# Altium PCB IndependentSTM32.PcbDoc (continued)
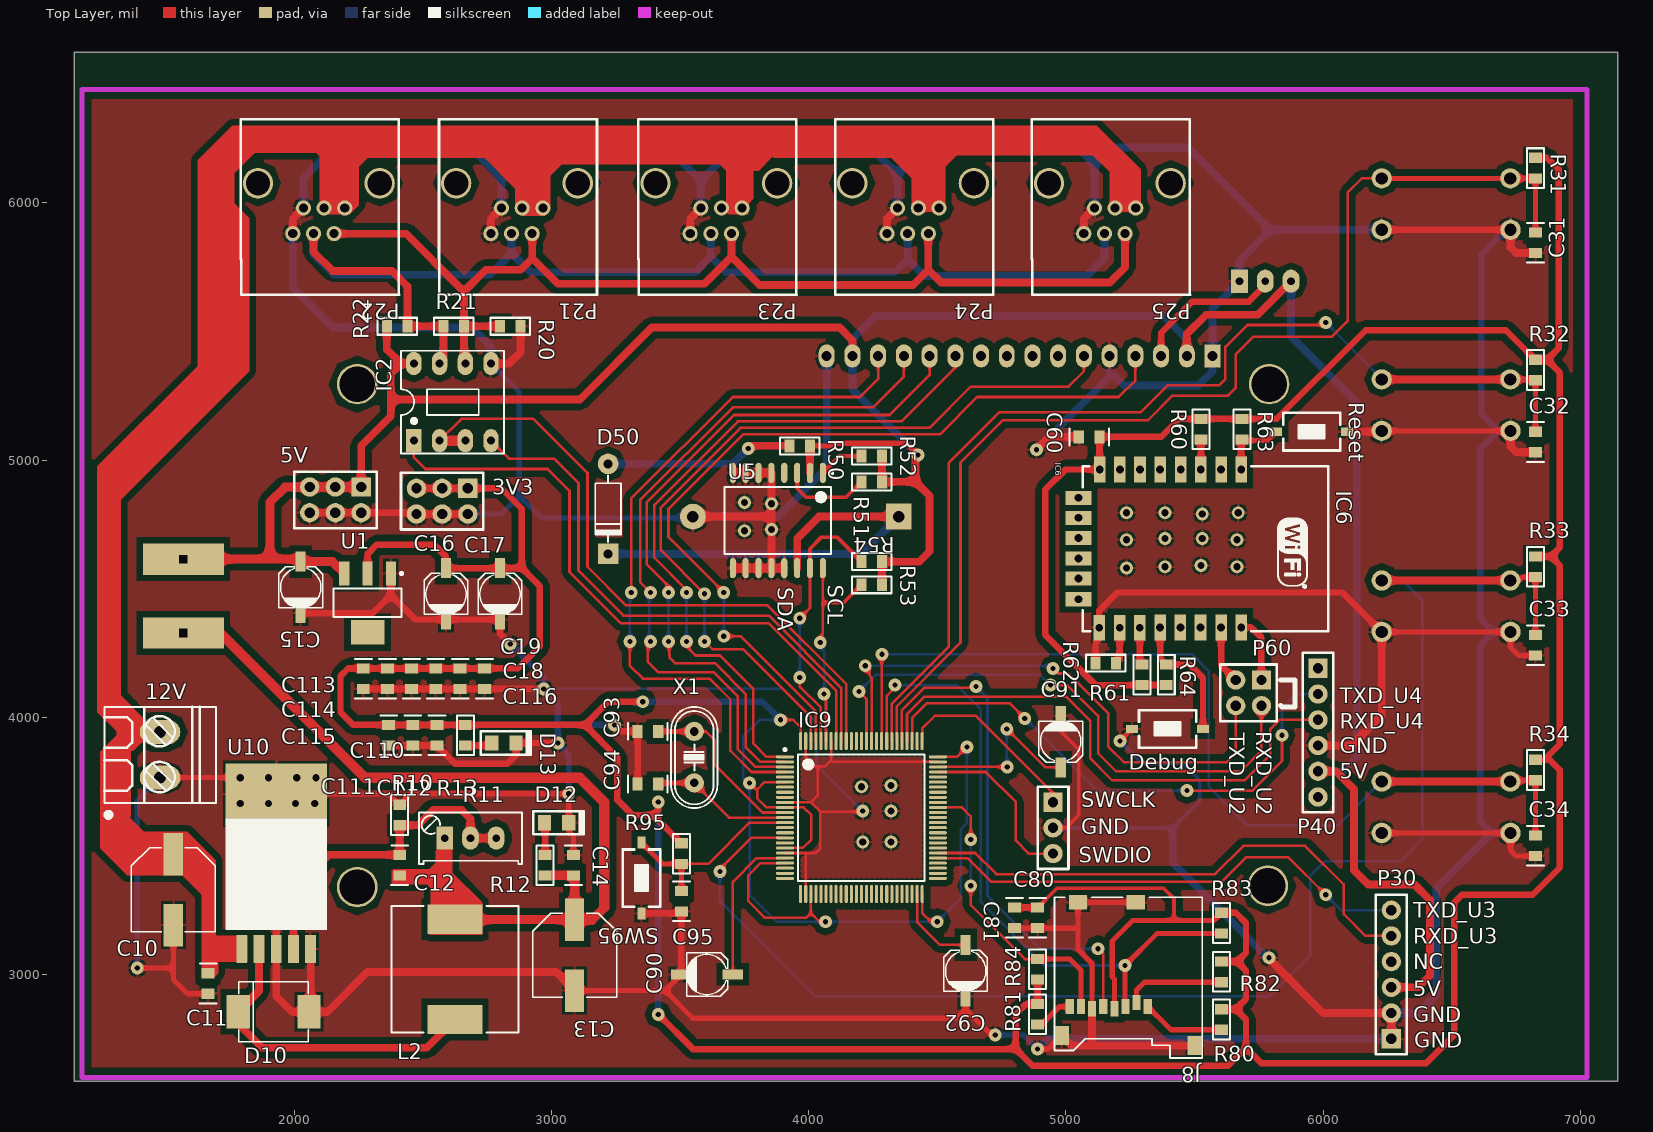
[diagram p0: Top Layer view]
## Footprints (in the part's own frame and the unit in brackets; to place one, negate y for a bottom-side part, rotate by r counter-clockwise, add the part's x,y. Pads: shape width x height; smd on the part's side, far side on the other; paste and mask are expansions set on the pad) (continued)
  silkscreen extent -7.67,-6.25 6.25,6.82, body extent -7,-7 7,7, height 1.6
SW-4P-B [mm] "Nut bam lon"
  round 2 hole 1.2: 1(-6.375,2.54) 2(-6.375,-2.54) 3(6.325,-2.54) 4(6.35,2.54)
  silkscreen extent -6.38,-5.71 6.32,5.71, body extent -6.94,-6 6.94,6, height 9.5
SW-SMD [mm] "Switch SMD type"
  rect 1.2x0.8 smd: 1(-3.5,0) 2(3.5,0)
  silkscreen extent -2.82,-1.85 2.82,1.85, body extent -3.05,-1.85 3.05,1.85, height 2.5
SW_Bapbenh [mm] "Typical LED; GREEN; RED; 2 Leads; Solder Pad 35mil"
  rect 8x3.1 hole 0.8 square: 1(-0.1,-0.7) 2(-0.1,6.6)
  silkscreen extent -7.2,-5 7.1,17.3, body extent -7.6,-4.55 7.4,16.55, height 16.72
TO263-5 [mm] "LM2576-SMD"
  rect 1.07x2.75 smd: 1(-3.4,-0.025) 2(-1.7,-0.025) 3(0,-0.025) 4(1.7,-0.025) 5(3.4,-0.025)
  rect 10x6 smd: 3(0,15.289)
  silkscreen extent -5,1.85 5,12.88, body extent -5,-0.38 5,15.29, height 4.79
VR1 [mil] "Variable Resistor"
  rect 65x90 hole 30: 1(0,0)
  oval 65x90 hole 30: 2(100,0) 3(200,0)
  silkscreen extent -100,-100 301,100, body extent -88,-130 288,110, height 455
"WCAP-PSHP 8x8.7x3.1" [mm] "Polarized capacitors, Aluminum Polymer Capacitors, 2-Leads, Body 8x8.7x3.1"
  rect 4.2x1.9 smd: 1(-3.5,0) 2(3.5,0)
  silkscreen extent -4.15,-4.15 4.15,4.15, body extent -4.5,-4.15 4.5,4.15
"WE-PD 1260" [mm] "SMD Inductor, 2-Leads, Body 12,0x12,0mm"
  rect 2.9x5.4 smd: 1(-4.95,0) 2(4.95,0)
  silkscreen extent -6.25,-6.25 6.25,6.25, body extent -6,-6 6,6, height 5.98
XT2 [mil] "Footpin for Crystal 2 pin"
  round 75 hole 34: 1(-100,0) 2(100,0)
  silkscreen extent -198,-90 195,90, body extent -233,-93 213,90, height 138

## Part data
3V3 5V: "Header, 6-Pin, 2-Row"
12V: "2 pins Domino Header"
BACK DOWN ENTER UP: library part SW-4PIN-BIG, "Switch Big 4 Pin"
BT?: "Battery 3VDC"
C10 C13 C15 C16 C17 C90 C91 C92: library part Cap_Pol, "Polarized Capacitor"
C11 C12 C14 C18 C19 C31 C32 C33 C34 C60 C80 C81 C93 C94 C95 C110 C111 C112 C113 C114 C115 C116: library part CapSMD, "Capacitor"
D10: library part SS34-DO214AB, "WE-TVSP Power TVS Diode, Unidirectional, 1500 W, 12 VDC"
D12 D13: "Typical LED"
D50: library part D1A, "Diode 1A"
Debug Reset SW95: library part SW2, "Switch button 2 pin"
IC2: "RS232 - RS485 (Same sn75176)"
IC9: library part STM32F407VGT6_IC
J8: library part MicroSD
L2: "Magnetic-Core Inductor"
LCD: library part LCD20x4A, "LCD dipslay 20 char, 4 line"
P21 P22 P23 P24 P25: "Header, 8-Pin"
P30 P40: "Header, 6-Pin"
P60: "Header, 4-Pin, 2-Row"
R10 R12 R13 R20 R21 R22 R31 R32 R33 R34 R50 R51 R52 R53 R54 R60 R61 R62 R63 R64 R80 R81 R82 R83 R84 R95: "RES_0805"
R11 R70: library part VR, "Var Resistor"
SWCLK: "Header, 3-Pin"
X1: library part XT2, "Crystal For all Crystal 2pin."

## Via types
v1: diameter 50, hole 20, Top Layer to Bottom Layer, 57 vias
v2: diameter 50, hole 28, Top Layer to Bottom Layer, 29 vias

## Nets (pads, with @x,y where several pads share a name; then routed paths per layer and width w, separated by ;. In a path a pad name is that pad's centre, name@x,y a point inside that pad or via, vN(x,y) a via of type N, cw(c..) or ccw(c..) an arc to the next point about the centre after c; other vN are vias at no path point)
3V3: 3V3.1 3V3.3 3V3.5 C16.1 C17.1 C18.2 C19.2 C60.2 C80.2 C81.2 C110.2 C111.2 C112.2 C113.2 C114.2 C115.2 C116.2 IC6.8 IC9.6 IC9.11 IC9.19 IC9.22 IC9.28 IC9.50 IC9.75 IC9.100 J8.4 R13.2 R31.2 R32.2 R33.2 R34.2 R60.1 R61.1 R63.1 R64.1 R80.2 R81.2 R82.2 R83.2 R84.2 R95.2 U1.2 | length 23349.9
  Top Layer w10: v1(3770,3745) 3795,3720 ; 3869.76,3649.37 3835.63,3649.37 3800,3685 3800,3720 3827.8,3747.8 IC9.6 ; v1(3890,3990) 3940,3990 3968.78,3961.22 IC9.100 ; IC9.22 3812.83,3432.83 3765,3385 3765,3285 3830,3220 3990,3220 4008.15,3238.15 ; IC9.11 3980.63,3649.37 4010,3620 4010,3525 3976.89,3491.89 3945.75,3491.89 ; IC9.28 4008.15,3238.15 ; v1(4065,3205) 4041.3,3205 4008.15,3238.15 ; IC9.50 4441.22,3238.78 4475,3205 v1(4500,3205) ; IC9.75 4576.22,3846.22 v1(4615,3885)
  Top Layer w15: C80.2 4965,3335 5380,3335 5420,3295 5420,3210
  Top Layer w20: J8.4 5188.23,2981.77 5180,2990 5180,3130 5260,3210 5420,3210 5575,3210 R83.2
  Top Layer w25: U1.2 2285,4635 2320,4670 2545,4670 2590,4625 C16.1 C17.1 2885,4580 ; 3V3.5 3V3.3 3V3.1 2805,4890 2885,4810 2885,4580 ; v1(3355,4060) 3220,4060 3130,3970 ; v1(3415,2845) 3550,2710 4805,2710 ; v1(3415,3670) 3415,3640 3395,3620 ; R95.2 3395,3620 ; C81.2 C80.2 ; R84.2 R81.2 4845,2885 4805,2845 4805,2710 ; R64.1 R61.1 5115,4125 4920,4320 4920,4885 4998,4963 IC6.8 5131,5089 C60.2 5370,5090 5440,5160 R60.1 R63.1 5820,5160 6165,5505 6710,5505 R32.2 6870,5390 ; R80.2 5660,2865 ; R82.2 5665,3050 ; R83.2 5660,3240 5700,3200 5700,3085 5665,3050 ; R33.2 6885,4625 ; R31.2 6870,6175 6915,6130 6915,5435 6870,5390 ; 2885,4580 2955,4510 2955,4275 2870,4190 C19.2 C18.2 C116.2 C115.2 C114.2 C113.2 2210,4190 2180,4160 2180,4020 2230,3970 C110.2 C111.2 C112.2 R13.2 3130,3970 ; 3130,3970 3255,3845 3255,3680 3315,3620 3395,3620 ; 4805,2710 4870,2645 5630,2645 5700,2715 ; 5660,2865 5700,2825 5700,2715 ; 5660,2865 5700,2905 5700,3015 5665,3050 ; 5700,2715 5760,2655 6400,2655 6510,2765 6510,3280 6540,3310 6815,3310 6920,3415 6920,3795 6880,3835 6860,3835 6920,3895 6920,4590 6885,4625 ; 6870,5390 6920,5340 6920,4660 6885,4625
  Bottom Layer w10: v1(3890,3990) 3810,3990 3745,3925 3745,3760 3760,3745 v1(3770,3745) 3770,3310 3875,3205 v1(4065,3205) v1(4500,3205) 4591,3296 4591,3564 4615,3588 v1(4615,3885)
  Bottom Layer w25: v1(3355,4060) 3820,4060 v1(3890,3990) ; v1(3415,2845) v1(3415,3670)
5V: 5V.1 5V.3 5V.5 C15.1 IC2.8 LCD.2 LCD.15 ON/OFF.2 P30.3 P40.5 R22.1 R50.2 R51.2 R52.2 R53.2 R54.2 R70.3 U1.3 U5.2 | length 11473.4
  Top Layer w20: R50.2 4085,5055 4095,5065 4380,5065 v1(4425,5020)
  Top Layer w30: 5V.1 2260,5055 2375,5170 2375,5235 ; R22.1 2360,5430 2415,5375 ; IC2.8 2415,5375 ; U5.2 R50.2 ; LCD.15 4170,5465 4120,5515 3390,5515 3110,5235 2375,5235 ; R53.2 R54.2 4430,4605 4470,4645 4470,4860 4415,4915 ; R52.2 R51.2 4415,4915 ; v1(4425,5020) 4415,5010 4415,4915 ; LCD.2 5470,5490 5545,5565 5745,5565 R70.3 R70.3@5875,5670 ; P40.5 6050,3790 6120,3720 6120,3405 6175,3350 6355,3350 6415,3290 6415,2995 6370,2950 P30.3 ; 2375,5235 2375,5335 2415,5375
  Top Layer w35: ON/OFF.2 1905,4614.84 ; C15.1@2015.16,4614.84 1905,4614.84 ; C15.1 2148.62,4605 U1.3 ; 5V.1 5V.3 5V.5 1965,4895 1905,4835 1905,4614.84
  Bottom Layer w30: v1(4425,5020) 4170,5275 LCD.15 4170,5470 4260,5560 5380,5560 5470,5470 LCD.2 ; R70.3 5875,5480 6130,5225 6130,3845 6075,3790 P40.5
12V: 12V.2 C10.1 C11.2 P21.4 P21.5 P22.4 P22.5 P23.4 P23.5 P24.4 P24.5 P25.4 P25.5 U10.1 | length 8802.5
  Top Layer w25: 12V.2 1387.56,3942.56 ; C11.2 1665,3100 ; U10.1 1666,3099 1665,3100 ; P22.5 P22.4 2196.34,6136.34 ; P21.4 P21.5 2886.02,6073.98 ; P23.5 P23.4 3741.34,6126.34 ; P24.4 P24.5 4426.02,6123.98 ; P25.4 P25.5 5191.02,6148.98 5105,6235 4537.05,6235 4426.02,6123.98 ; 1387.56,3942.56 1270,4060.12 1270,4885 1755,5370 1755,6120 1850,6215 2117.68,6215 2196.34,6136.34 ; 1387.56,3942.56 1305,3860 1305,3540 1377.2,3467.8 C10.1 1547.2,3467.8 1665,3350 1665,3100 ; 2196.34,6136.34 2270,6210 2750,6210 2886.02,6073.98 ; 2886.02,6073.98 3000,6187.95 3679.72,6187.95 3741.34,6126.34 ; 3741.34,6126.34 3825,6210 4340,6210 4426.02,6123.98
32K: R52.1 U5.1 | length 176.9
  Top Layer w15: U5.1 4120,5015 R52.1
A: IC2.6 P21.1 P22.1 P23.1 P24.1 P25.1 R20.1 R21.2 | length 4305.9
  Top Layer w30: P22.1 2435,5880 2650,5665 2660,5665 R21.2 ; 2660,5655 2745,5740 2880,5740 2925,5785 ; IC2.6 2660,5380 R21.2 ; R20.1 R21.2 ; P21.1 2925,5785 ; P23.1 3700,5790 ; P24.1 4465,5740 ; P25.1 5230,5750 5170,5690 4515,5690 4465,5740 ; 2925,5785 3025,5685 3595,5685 3700,5790 ; 3700,5790 3810,5680 4405,5680 4465,5740
B: IC2.7 P21.2 P22.2 P23.2 P24.2 P25.2 R21.1 R22.2 | length 4678.1
  Top Layer w30: P22.2 2074.68,5810.31 2150,5735 2380,5735 2440,5675 R22.2 R21.1 2580,5390 IC2.7
  Bottom Layer w30: P22.2 2074.68,5800.31 2155,5720 2760,5720 2844.68,5804.69 ; P21.2 2844.68,5804.69 ; P23.2 3619.68,5789.69 ; P24.2 4384.69,5780.31 ; P25.2 5149.69,5784.69 5080,5715 4450,5715 4384.69,5780.31 ; 2844.68,5804.69 2919.37,5730 3560,5730 3619.68,5789.69 ; 3619.68,5789.69 3679.37,5730 4334.37,5730 4384.69,5780.31
BACK: BACK.2 BACK.3 C32.2 IC9.82 R32.1 | length 4044.6
  Top Layer w10: IC9.82 4323.11,4053.11 4545,4275 4545,4990 4740,5185 5290,5185 5395,5290 5595,5290 5620,5315 5620,5440 5705,5525 6000,5525 v1(6010,5535)
  Top Layer w20: BACK.3 R32.1@6821.67,5313.33 ; C32.2 R32.1
  Top Layer w30: BACK.2 BACK.3
  Bottom Layer w10: v1(6010,5535) 6227.48,5317.52 BACK.2
BAT: BT?.1 D50.2 U5.14 | length 1735.3
  Top Layer w30: U5.14 3955,4695 4040,4780 BT?.1
  Bottom Layer w30: D50.2 4205,4635 BT?.1
D4_LCD: IC9.1 LCD.11 | length 2723.3
  Top Layer w10: v1(3525,4295) 3525,4275 3560,4240 3655,4240 3785,4110 3785,3897.44 3836.22,3846.22 IC9.1 ; v1(3525,4485) 3525,4495 3400,4620 3400,4825 3725,5150 4360,5150 4570,5360 LCD.11
  Bottom Layer w10: v1(3525,4295) v1(3525,4485)
D5_LCD: IC9.2 LCD.12 | length 2755.4
  Top Layer w10: v1(3455,4295) 3460,4230 3480,4210 3635,4210 3755,4090 3755,3885 3813.46,3826.54 IC9.2 ; v1(3455,4485) 3455,4510 3370,4595 3370,4835 3710,5175 4315,5175 4470,5330 LCD.12
  Bottom Layer w10: v1(3455,4295) v1(3455,4485)
D6_LCD: IC9.3 LCD.13 | length 2784.7
  Top Layer w10: v1(3385,4485) 3345,4525 3345,4845 3705,5205 4250,5205 4370,5325 LCD.13 ; v1@3395,4295 3375,4275 3375,4215 3415,4175 3630,4175 3725,4080 3725,3875 3793.15,3806.85 IC9.3
  Bottom Layer w10: v1(3385,4295) 3380,4300 3380,4480 v1(3385,4485)
D7_LCD: IC9.4 LCD.14 | length 2785.6
  Top Layer w10: v1(3305,4295) 3305,4200 3355,4150 3615,4150 3695,4070 3695,3870 3777.83,3787.17 IC9.4 ; v1(3310,4485) 3310,4850 3705,5245 4200,5245 4270,5315 LCD.14
  Bottom Layer w10: v1(3305,4295) 3305,4480 v1(3310,4485)
DOWN: C34.2 DOWN.2 DOWN.3 IC9.84 R34.1 | length 3697.7
  Top Layer w10: IC9.84 4283.74,4243.74 v1(4285,4245)
  Top Layer w20: DOWN.3@6732.48,3755 R34.1 C34.2
  Top Layer w30: DOWN.2 DOWN.3
  Bottom Layer w10: v1(4285,4245) 5490,4245 5555,4180 5555,3730 5705,3580 6057.48,3580 DOWN.2
EN_ESP8266: IC6.3 R60.2 | length 116
  Top Layer w25: IC6.3@5525,4964 R60.2
EN_LCD: IC9.98 LCD.6 | length 3144.1
  Top Layer w10: v1(3595,4295) 3625,4265 3745,4265 4008.15,4001.85 IC9.98 ; v1(3595,4480) 3425,4650 3425,4815 3735,5125 4470,5125 4630,5285 5010,5285 5070,5345 LCD.6
  Bottom Layer w10: v1(3595,4295) v1(3595,4480)
ENTER: C31.2 ENTER.2 ENTER.3 IC9.81 R31.1 | length 4456.9
  Top Layer w10: IC9.81 4342.8,4042.8 4590,4290 4590,4990 4755,5155 5320,5155 5415,5250 5630,5250 5660,5280 5660,5410 5730,5480 6035,5480 6095,5540 6095,6040 6150,6095 ENTER.2
  Top Layer w20: ENTER.2 ENTER.3 R31.1 C31.2
GND: 3V3.2 3V3.4 3V3.6 5V.2 5V.4 5V.6 12V.1 BACK.1 BACK.4 BT?.2 C10.2 C11.1 C13.2 C14.2 C15.2 C16.2 C17.2 C18.1 C19.1 C31.1 C32.1 C33.1 C34.1 C60.1 C80.1 C81.1 C90.2 C91.2 C92.2 C93.2 C94.2 C95.1 C110.1 C111.1 C112.1 C113.1 C114.1 C115.1 C116.1 D10.2 D12.2 D13.2 Debug.2 DOWN.1 DOWN.4 ENTER.1 ENTER.4 IC2.5 IC6.15 IC9.10 IC9.20 IC9.27 IC9.74 IC9.94 IC9.99 J8.6 J8.9 J8.10 LCD.1 LCD.5 LCD.16 P21.3 P21.6 P22.3 P22.6 P23.3 P23.6 P24.3 P24.6 P25.3 P25.6 P30.1 P30.2 P40.4 R10.1 R20.2 R62.1 R70.1 Reset.2 SW95.2 SWCLK.2 U1.1 U5.5 U5.6 U5.7 U5.8 U5.9 U5.10 U5.11 U5.12 U5.13 U10.3 U10.5 UP.1 UP.4 | length 42455.6
  Top Layer w10: IC9.20 4027.2,3472.2 4045,3490 4045,3633.11 ; IC9.10 4009.06,3669.06 ; IC9.27 3988.46,3470.67 ; IC9.99 3988.46,3841.54 4020,3810 4035,3810 ; IC9.94 4086.89,3831.89 ; v1(4210,3635) 4208.11,3633.11 4045,3633.11 ; IC9.74 4092.24,3826.54 4086.89,3831.89 ; 4009.06,3669.06 4045,3633.11 ; 4009.06,3669.06 4035,3695 4035,3810 ; 4035,3810 4065,3810 4086.89,3831.89
  Top Layer w15: SWCLK.2 5000,3570 5050,3620 5050,3875 4980,3945 C91.2 ; v1(5210,3907.8) Debug.2
  Top Layer w20: v1(1390,3025) 1530,3025 ; 12V.1 1866.54,3765.39 1930,3701.93 2368.07,3701.93 R10.1 2452.4,3702.4 v1(3067.4,3702.4) D12.2 3067.4,3557.6 3085,3540 C14.2 ; C10.2 1530,3025 ; C11.1 1585,2925 1530,2980 1530,3025 ; C13.2 3442.2,2937.2 ; C90.2 3442.2,2937.2 ; C92.2 4610,2865 ; v1(4725,2765) 4710,2765 4610,2865 ; C81.1 C80.1 5041.89,3180 5046.89,3175 ; v1(4890,2710) 4931.1,2710 J8.9@4983.9,2762.8 ; J8.6 5101.61,3043.39 5046.89,3098.11 5046.89,3175 ; J8.10@5271.3,3280.51 5046.89,3280.51 5046.89,3175 ; DOWN.1 DOWN.4 6728.48,3481.52 6750,3460 C34.1 ; UP.1 UP.4 6728.48,4271.52 6760,4240 C33.1 ; BACK.1 BACK.4 ; 3442.2,2937.2 3549.41,2830 4575,2830 4610,2865
  Top Layer w25: C15.2 2305,4405 2375.55,4475.55 ; 5V.6 5V.4 5V.2 2470,4795 3V3.6 3V3.4 3V3.2 ; C113.1 C114.1 C115.1 C116.1 C18.1 C19.1 v1(2970,4110) ; C110.1 C111.1 C112.1 2624.5,3820 2830,3820 2862.4,3852.4 D13.2 v1(3025,3900) ; U1.1 2375.55,4475.55 ; v1(2840,4285) 2800,4325 C17.2 C16.2 2471.1,4380 2375.55,4475.55 ; v1(3245,3970) 3270,3945 C93.2 C94.2 ; SW95.2 3497.2,3237.2 C95.1 C90.2 ; R62.1 5115,4290 5130,4305 IC6.15 5130,4415 5200,4485 6074.15,4485 UP.1 ; ENTER.1 ENTER.4
  Top Layer w30: U10.3@1930,3701.93 1930,3099 1930,2915 1990,2855 D10.2 ; P22.3 1994.37,5938.27 P22.6 ; U10.5 2063.86,2861.06 D10.2 ; P21.3 2764.37,5938.27 P21.6 ; IC2.5 2835,5375 2880,5420 R20.2 ; C13.2 3017.2,3010 2285,3010 2130,2855 D10.2 ; P23.3 3539.37,5938.27 P23.6 ; BT?.2 3855,4780 ; U5.9 U5.10 U5.11 U5.12 ; U5.8 U5.7 U5.6 U5.5 3855,4780 ; U5.13 U5.12 ; P24.3 4304.37,5938.27 P24.6 ; v1(4885,5040) 4935,5090 C60.1 ; J8.9@4983.9,2762.8 5023.27,2723.43 5105,2723.43 ; P25.3 5069.37,5938.27 P25.6 ; J8.6 5101.61,2726.81 5105,2723.43 ; J8.9@5500.5,2723.43 5105,2723.43 ; v1(5790,3065) 5790,3060 6000,2850 P30.2 P30.1 ; P40.4 6110,3890 6227.48,4007.48 UP.1 ; Reset.2 6224.15,5110 BACK.1 ; BACK.4 6728.48,5051.52 6750,5030 C32.1 ; ENTER.4 6728.48,5826.52 6750,5805 C31.1 ; U5.12 3855,4780
  Bottom Layer w10: v1(2970,4110) 3900,4110 4030,3980 4030,3815 v1(4210,3635)
  Bottom Layer w15: SWCLK.2 5415,3570 5520,3675 5520,3755 5455,3820 5297.8,3820 v1(5210,3907.8)
  Bottom Layer w20: v1(1390,3025) 1390,3676.93 12V.1 ; 3V3.2 2805,4790 2875,4860 ; IC2.5 2875,5265 2875,4860 ; v1(3025,3900) 3067.4,3857.6 v1(3067.4,3702.4) ; BT?.2 3545,4775 2960,4775 2875,4860 ; v1(4725,2765) 4835,2765 v1(4890,2710)
  Bottom Layer w25: v1(2840,4285) 2970,4155 v1(2970,4110) 3025,4055 3025,3975 ; v1(3025,3900) 3025,3975 ; v1(3245,3970) 3030,3970 3025,3975 ; DOWN.4 6655,3550 6610,3595 6610,4278.33 6663.33,4331.67 ; UP.4 6663.33,4331.67 ; ENTER.4 6710,5895 6615,5800 6615,5180 6681.67,5113.33 6610,5041.67 6610,4385 6663.33,4331.67
  Bottom Layer w30: P22.3 1994.37,5670.63 2150,5515 2690,5515 2765,5440 IC2.5 ; P22.6 2035.71,6095.71 2135,6195 2705,6195 2805.71,6094.29 ; P21.6 2805.71,6094.29 ; BT?.2 3880,4780 4070,4970 LCD.16 ; P23.6 3580.71,6085.71 ; P24.6 4345.71,6109.29 ; v1(4885,5040) 5170,5325 5170,5345 5225,5290 5515,5290 5570,5345 LCD.1 5570,5590 R70.1 5675,5775 5795,5895 ; v1(4890,2710) 4930,2750 P30.1 ; P25.6 5110.71,6149.29 ; 5415,3570 5415,3435 5785,3065 v1(5790,3065) ; ENTER.1 5795,5895 ; P30.2 6370,2850 6440,2920 6440,3335 6655,3550 ; 2805.71,6094.29 2891.42,6180 3486.42,6180 3580.71,6085.71 ; 3580.71,6085.71 3695,6200 4255,6200 4345.71,6109.29 ; 4345.71,6109.29 4471.42,6235 5025,6235 5110.71,6149.29 ; 5110.71,6149.29 5176.42,6215 5475,6215 5795,5895
  other v2: 4210,3515 4320,3515 4320,3635 1790,3665 1900,3665 2005,3665 2080,3665 4205,3730 4320,3735 1790,3765 1900,3765 2010,3765 2085,3765 5235,4580 5385,4585 5665,4585 5525,4590 5235,4690 5665,4690 5385,4695 5530,4695 3750,4725 3855,4730 5530,4790 5235,4795 5385,4795 5670,4795 3855,4830 3750,4835
GPIO0_ESP8266: Debug.1 IC6.18 R64.2 | length 515.8
  Top Layer w25: IC6.18 5366,4229 R64.2 5480,4205 5532.8,4152.2 Debug.1
GPIO2_ESP8266: IC6.17 R61.2 | length 146.3
  Top Layer w25: IC6.17 5287,4213 R61.2
GPIO15_ESP8266: IC6.16 R62.2 | length 143.8
  Top Layer w25: R62.2 5209,4224 IC6.16
NetC12_1: C12.1 C13.1 C14.1 L2.2 ON/OFF.1 R11.1 R12.2 | length 3650.2
  Top Layer w35: ON/OFF.1 ON/OFF.1@1712.56,4327.44 ; C12.1 2585,3385 ; L2.2@2585,3254.88 2585,3385 ; R11.1 2585,3385 ; L2.2@2627.09,3212.8 C13.1 3090,3380 C14.1 R12.2 ; 3157.8,3212.8 3205,3260
  Top Layer w40: ON/OFF.1@1712.56,4327.44 2275,3765 3110,3765 3205,3670 3205,3260 ; C13.1 3157.8,3212.8
NetC12_2: C12.2 R10.2 R11.2 R11.3 U10.4 | length 1302.5
  Top Layer w30: U10.4 1996.93,3326.93 2135,3465 C12.2 R10.2 2480,3580 2540,3640 2650,3640 2685,3605 R11.2 R11.3
NetC90_1: C90.1 IC9.21 | length 601.1
  Top Layer w10: C90.1 3705,3360 3797.52,3452.52 IC9.21
NetC91_1: C91.1 IC9.73 | length 690.7
  Top Layer w10: IC9.73 v1(4771.85,3806.85) ; v1(4770,3955) 4920,3805 C91.1
  Bottom Layer w10: v1(4770,3955) 4770,3808.7 v1(4771.85,3806.85)
NetC92_1: C92.1 IC9.49 | length 334.4
  Top Layer w10: IC9.49 4421.54,3203.46 4510,3115 C92.1
NetD10_1: D10.1 L2.1 U10.2 | length 1251.5
  Top Layer w30: U10.2 1863.07,2935.87 D10.1 1782.2,2807.8 1875,2715 2514.88,2715 L2.1
NetD12_1: D12.1 R12.1 | length 122.6
  Top Layer w25: R12.1 D12.1@2975,3587.6
NetD13_1: D13.1 R13.1 | length 106.7
  Top Layer w25: R13.1 2757.6,3890 D13.1
NetD50_1: D50.1 R50.1 | length 734
  Top Layer w30: v1(3765,5045) 3775,5055 R50.1
  Bottom Layer w30: D50.1 3705,4985 v1(3765,5045)
NetIC6_21: IC6.21 P60.3 | length 227.6
  Top Layer w25: IC6.21 5603,4202 P60.3
NetIC6_22: IC6.22 P60.1 | length 260.2
  Top Layer w25: IC6.22 5721,4349 5760,4310 P60.1
NetJ8_1: J8.1 R80.1 | length 324.1
  Top Layer w20: J8.1 5408.15,2785 R80.1
NetJ8_2: J8.2 R82.1 | length 391.7
  Top Layer w20: J8.2 5274.84,2939.84 5305,2970 R82.1
NetJ8_8: J8.8 R81.1 | length 154
  Top Layer w20: R81.1 4905,2805 4975,2875 J8.8
NetLCD_3: LCD.3 R70.2 | length 586.6
  Top Layer w25: LCD.3 5370,5495 5490,5615 5710,5615 5775,5680 R70.2
NRST: C95.2 IC9.14 R95.1 SW95.1 | length 763.5
  Top Layer w10: R95.1 3610,3430 3770.32,3590.32 IC9.14
  Top Layer w20: SW95.1 3432.8,3430 R95.1 C95.2
RS_LCD: IC9.97 LCD.4 | length 3295.2
  Top Layer w10: v1(3670,4315) 3735,4315 4027.83,4022.17 IC9.97 ; v1(3670,4485) 3455,4700 3455,4810 3745,5100 4510,5100 4655,5245 5205,5245 5270,5310 LCD.4
  Bottom Layer w10: v1(3670,4315) v1(3670,4485)
RST_ESP8266: IC6.1 R63.2 Reset.1 | length 263.3
  Top Layer w20: R63.2@5681,5076 5783.2,5076 Reset.1
  Top Layer w25: IC6.1 R63.2@5681,5076
RX_UART2: IC9.87 P60.2 | length 2245.4
  Top Layer w10: v1(4195,4100) 4224.69,4070.32 IC9.87 ; v1(4940,4125) 5005,4125 5125,4005 5125,3860 5195,3790 5680,3790 5760,3870 P60.2
  Bottom Layer w10: v1(4195,4100) 4260,4165 4900,4165 v1(4940,4125)
RXD_UART1: IC2.1 IC9.93 | length 2462.8
  Top Layer w10: IC2.1 2465,5010 2510,4965 2985,4965 3070,4880 3070,4565 3270,4365 3845,4365 4106.57,4103.43 IC9.93
RXD_UART3: IC9.56 P30.5 | length 2054.7
  Top Layer w10: IC9.56 4647.2,3472.2 4729.41,3390 5580,3390 5690,3500 5930,3500 6080,3350 6080,3235 6165,3150 P30.5
RXD_UART4: IC9.79 P40.3 | length 2106.3
  Top Layer w10: IC9.79 4382.17,4012.17 4450,4080 5000,4080 5095,3985 5095,3840 5180,3755 5695,3755 5795,3855 5795,3955 5830,3990 P40.3
SCL: IC9.95 R53.1 U5.16 | length 873.3
  Top Layer w10: v1(4045,4290) 4045,4315 4055,4325 4055,4445 U5.16 ; v1(4060,4090) 4067.2,4082.8 IC9.95
  Top Layer w15: 4055,4445 4135,4445 R53.1
  Bottom Layer w10: v1(4045,4290) 4035,4280 4060,4255 v1(4060,4090)
SD_CK: IC9.80 J8.5 | length 2027.9
  Top Layer w10: IC9.80 4362.48,4027.48 4450,4115 4645,4115 v1(4650,4120) ; v1(5125,3100) 5145,3080 5145,2875.08 J8.5
  Bottom Layer w10: v1(4650,4120) 4695,4075 4695,3305 4900,3100 v1(5125,3100)
SD_CMD: IC9.83 J8.3 R83.1 | length 2604.1
  Top Layer w10: IC9.83 4303.43,4083.43 4335,4115 v1(4335,4125)
  Top Layer w20: J8.3 5230,2876.54 v1(5230,3035) 5355,3160 R83.1
  Bottom Layer w10: v1(4335,4125) 4575,4125 4669,4031 4669,3281 4915,3035 v1(5230,3035)
SD_D0: IC9.65 J8.7 R84.1 | length 1161.9
  Top Layer w10: IC9.65 4595.63,3649.37 4630,3615 v1(4630,3525) ; v1(4630,3345) 4630,3270 4840,3060 R84.1
  Top Layer w20: R84.1 5015,3060 5058.31,3016.69 J8.7
  Bottom Layer w10: v1(4630,3345) v1(4630,3525)
SDA: IC9.96 R54.1 U5.15 | length 1056.5
  Top Layer w10: v1(3965,4155) 3965,4120 4047.52,4037.48 IC9.96 ; v1(3965,4385) 4005,4425 U5.15
  Top Layer w15: U5.15 4005,4655 4050,4700 4110,4700 R54.1
  Bottom Layer w10: v1(3965,4155) v1(3965,4385)
SEC_UART1: IC2.2 IC2.3 IC9.91 | length 2578.8
  Top Layer w10: IC2.2 2650,5160 2930,5160 3140,4950 3140,4585 3290,4435 3840,4435 4145.94,4129.06 IC9.91
  Top Layer w40: IC2.2 IC2.3
SQW: R51.1 U5.3 | length 349.4
  Top Layer w15: U5.3 3955,4890 3990,4855 4145,4855 R51.1
SWCLK: IC9.76 SWCLK.1 | length 737.2
  Top Layer w10: IC9.76 4441.22,3956.22 4490,4005 4650,4005 4950,3705 SWCLK.1
SWDIO: IC9.72 SWCLK.3 | length 667
  Top Layer w10: IC9.72 4687.83,3787.17 4805,3670 4805,3520 4855,3470 SWCLK.3
TX_UART2: IC9.86 P60.4 | length 2169.4
  Top Layer w10: v1(4220,4200) 4244.37,4150.63 IC9.86 ; v1(4950,4190) 4970,4170 5010,4170 5165,4015 5165,3885 5225,3825 5625,3825 5660,3860 P60.4
  Bottom Layer w10: v1(4220,4200) 4940,4200 v1(4950,4190)
TXD_UART1: IC2.4 IC9.92 | length 2165.1
  Top Layer w10: IC2.4 2835,5005 3010,5005 3105,4910 3105,4570 3280,4395 3845,4395 4126.26,4113.74 IC9.92
TXD_UART3: IC9.55 P30.6 | length 1925.3
  Top Layer w10: IC9.55 4617.48,3452.52 4710,3360 5605,3360 5700,3455 5865,3455 v1(6010,3310)
  Bottom Layer w10: v1(6010,3310) 6070,3250 P30.6
TXD_UART4: IC9.78 P40.2 | length 2108.1
  Top Layer w10: IC9.78 4401.85,3996.85 4460,4055 4780,4055 v1(4840,3995) ; v1(5470,3715) 5725,3715 5840,3830 v1(5840,3930)
  Bottom Layer w10: v1(4840,3995) 5120,3715 v1(5470,3715) ; v1(5840,3930) 5840,4035 5895,4090 P40.2
UP: C33.2 IC9.17 R33.1 UP.2 UP.3 | length 5692.8
  Top Layer w10: v1(3655,3400) 3655,3410 3776.26,3531.26 IC9.17
  Top Layer w20: UP.3 6761.67,4531.67 6775,4545 R33.1 C33.2
  Top Layer w30: UP.2 UP.3
  Bottom Layer w10: v1(3655,3400) 3655,3285 4025,2915 5790,2915 5950,3075 5950,3385 6005,3440 6300,3440 6385,3525 6385,4455 6308.33,4531.67 UP.2
X_IN: C93.1 IC9.12 X1.2 | length 679
  Top Layer w10: X1.2 3600,3945 3635,3910 3635,3815 3820.32,3629.68 IC9.12
  Top Layer w20: C93.1 X1.2
X_OUT: C94.1 IC9.13 X1.1 | length 543.7
  Top Layer w10: X1.1 3690,3610 IC9.13
  Top Layer w20: C94.1@3420,3745 X1.1
pads on no net: "LCD.Hole 0" IC6.2 IC6.4 IC6.5 IC6.6 IC6.7 IC6.9 IC6.10 IC6.11 IC6.12 IC6.13 IC6.14 IC6.19 IC6.20 IC9.5 IC9.7 IC9.8 IC9.9 IC9.15 IC9.16 IC9.18 IC9.23 IC9.24 IC9.25 IC9.26 IC9.29 IC9.30 IC9.31 IC9.32 IC9.33 IC9.34 IC9.35 IC9.36 IC9.37 IC9.38 IC9.39 IC9.40 IC9.41 IC9.42 IC9.43 IC9.44 IC9.45 IC9.46 IC9.47 IC9.48 IC9.51 IC9.52 IC9.53 IC9.54 IC9.57 IC9.58 IC9.59 IC9.60 IC9.61 IC9.62 IC9.63 IC9.64 IC9.66 IC9.67 IC9.68 IC9.69 IC9.70 IC9.71 IC9.77 IC9.85 IC9.88 IC9.89 IC9.90 LCD.7 LCD.8 LCD.9 LCD.10 P21.7 P21.8 P22.7 P22.8 P23.7 P23.8 P24.7 P24.8 P25.7 P25.8 P30.4 P40.1 P40.6 U1.4 U5.4

## Polygon pours and split planes (outlines as drawn)
GND on Top Layer "G2" (solid, remove dead copper, pour order 0): 1210,6410 1210,2640 6970,2640 6975,2645 6970,2650 6970,6410
GND on Bottom Layer "G2" (solid, remove dead copper, pour order 2): 1210,6390 1210,2645 1215,2640 1220,2645 6980,2645 6980,6395 6975,6400

## Keep-outs
Keep-Out Layer:
  lines w20: 1175,2600 6965,2600 7025,2600 7025,6290 7025,6440 6940,6440 1250,6440 1175,6440 1175,2600

## Other copper
Top Layer:
  region net 12V: 1425,3985 1325,4085 1325,4845 1825,5345 1825,5940 1760,6005 1760,6125 1830,6195 2085,6195 2100,6180 2100,5970 2115,5955 2215,5955 2250,5990 2250,6140 2285,6175 2740,6175 2860,6055 2860,5975 2885,5950 2975,5950 2995,5970 2995,6105 3040,6150 3655,6150 3680,6125 3680,5965 3690,5955 3765,5955 3765,5995 3785,6015 3785,6125 3805,6125 3860,6180 3865,6175 4320,6175 4400,6095 4400,5990 4430,5960 4435,5965 4530,5965 4530,6140 4575,6185 5105,6185 5170,6120 5170,5990 5180,5990 5210,5960 5215,5965 5290,5965 5290,6130 5120,6300 1760,6300 1625,6165 1625,5365 1235,4975 1235,4020 1310,3945 1310,3930 1400,3930 1435,3895
  region net 12V: 1322.6,3942.6 1245,3865 1245,3490 1350,3385 1565,3385 1640,3310 1640,2990 1690,2990 1705,3005 1705,3050 1820,3050 1820,3150 1700,3150 1695,3155 1695,3445 1585,3555 1415,3555 1360,3610 1365,3615 1365,3870 1375,3870 1430.1,3925.1
  region net NetC12_1: 2555,3485 2550,3480 2550,3435 2525,3410 2385,3410 2380,3405 2380,3350 2515,3350 2530,3335 2530,3160 2525,3155 2730,3155 2730,3280 2615,3395 2615,3485

## Silkscreen, mask and mechanical layers (free items; w line width, h text height)
Top Overlay:
  lines w20: 5835,4045 5840,4040 5890,4040 5890,4145 5835,4145
  text "SCL" at 4075,4515 h60 r270
  text "SDA" at 3880,4505 h60 r270
  text "TXD_U4" at 6065,4055 h60
  text "RXD_U4" at 6065,3955 h60
  text "RXD_U2" at 5740,3945 h60 r270
  text "TXD_U2" at 5635,3940 h60 r270
  text "GND" at 6065,3860 h60
  text "5V" at 6065,3760 h60
  text "GND" at 5060,3545 h60
  text "SWDIO" at 5050,3435 h60
  text "TXD_U3" at 6350,3220 h60
  text "RXD_U3" at 6350,3120 h60
  text "NC" at 6350,3020 h60
  text "5V" at 6350,2915 h60
  text "GND" at 6350,2815 h60
  text "GND" at 6355,2715 h60
Bottom Overlay:
  text "TRUONG HA GIANG - 41300974" at 5270,2865 h100

## Text inside footprints (layer, text, board x,y; h text height)
IC6: Mechanical 13 "CUTOUT POLYGON" at 5975.59,4962.96 h10 r270; Mechanical 13 "ANTENNA AREA" at 5995.59,4962.96 h10 r270